# KiCad board processed.kicad_pcb (continued)
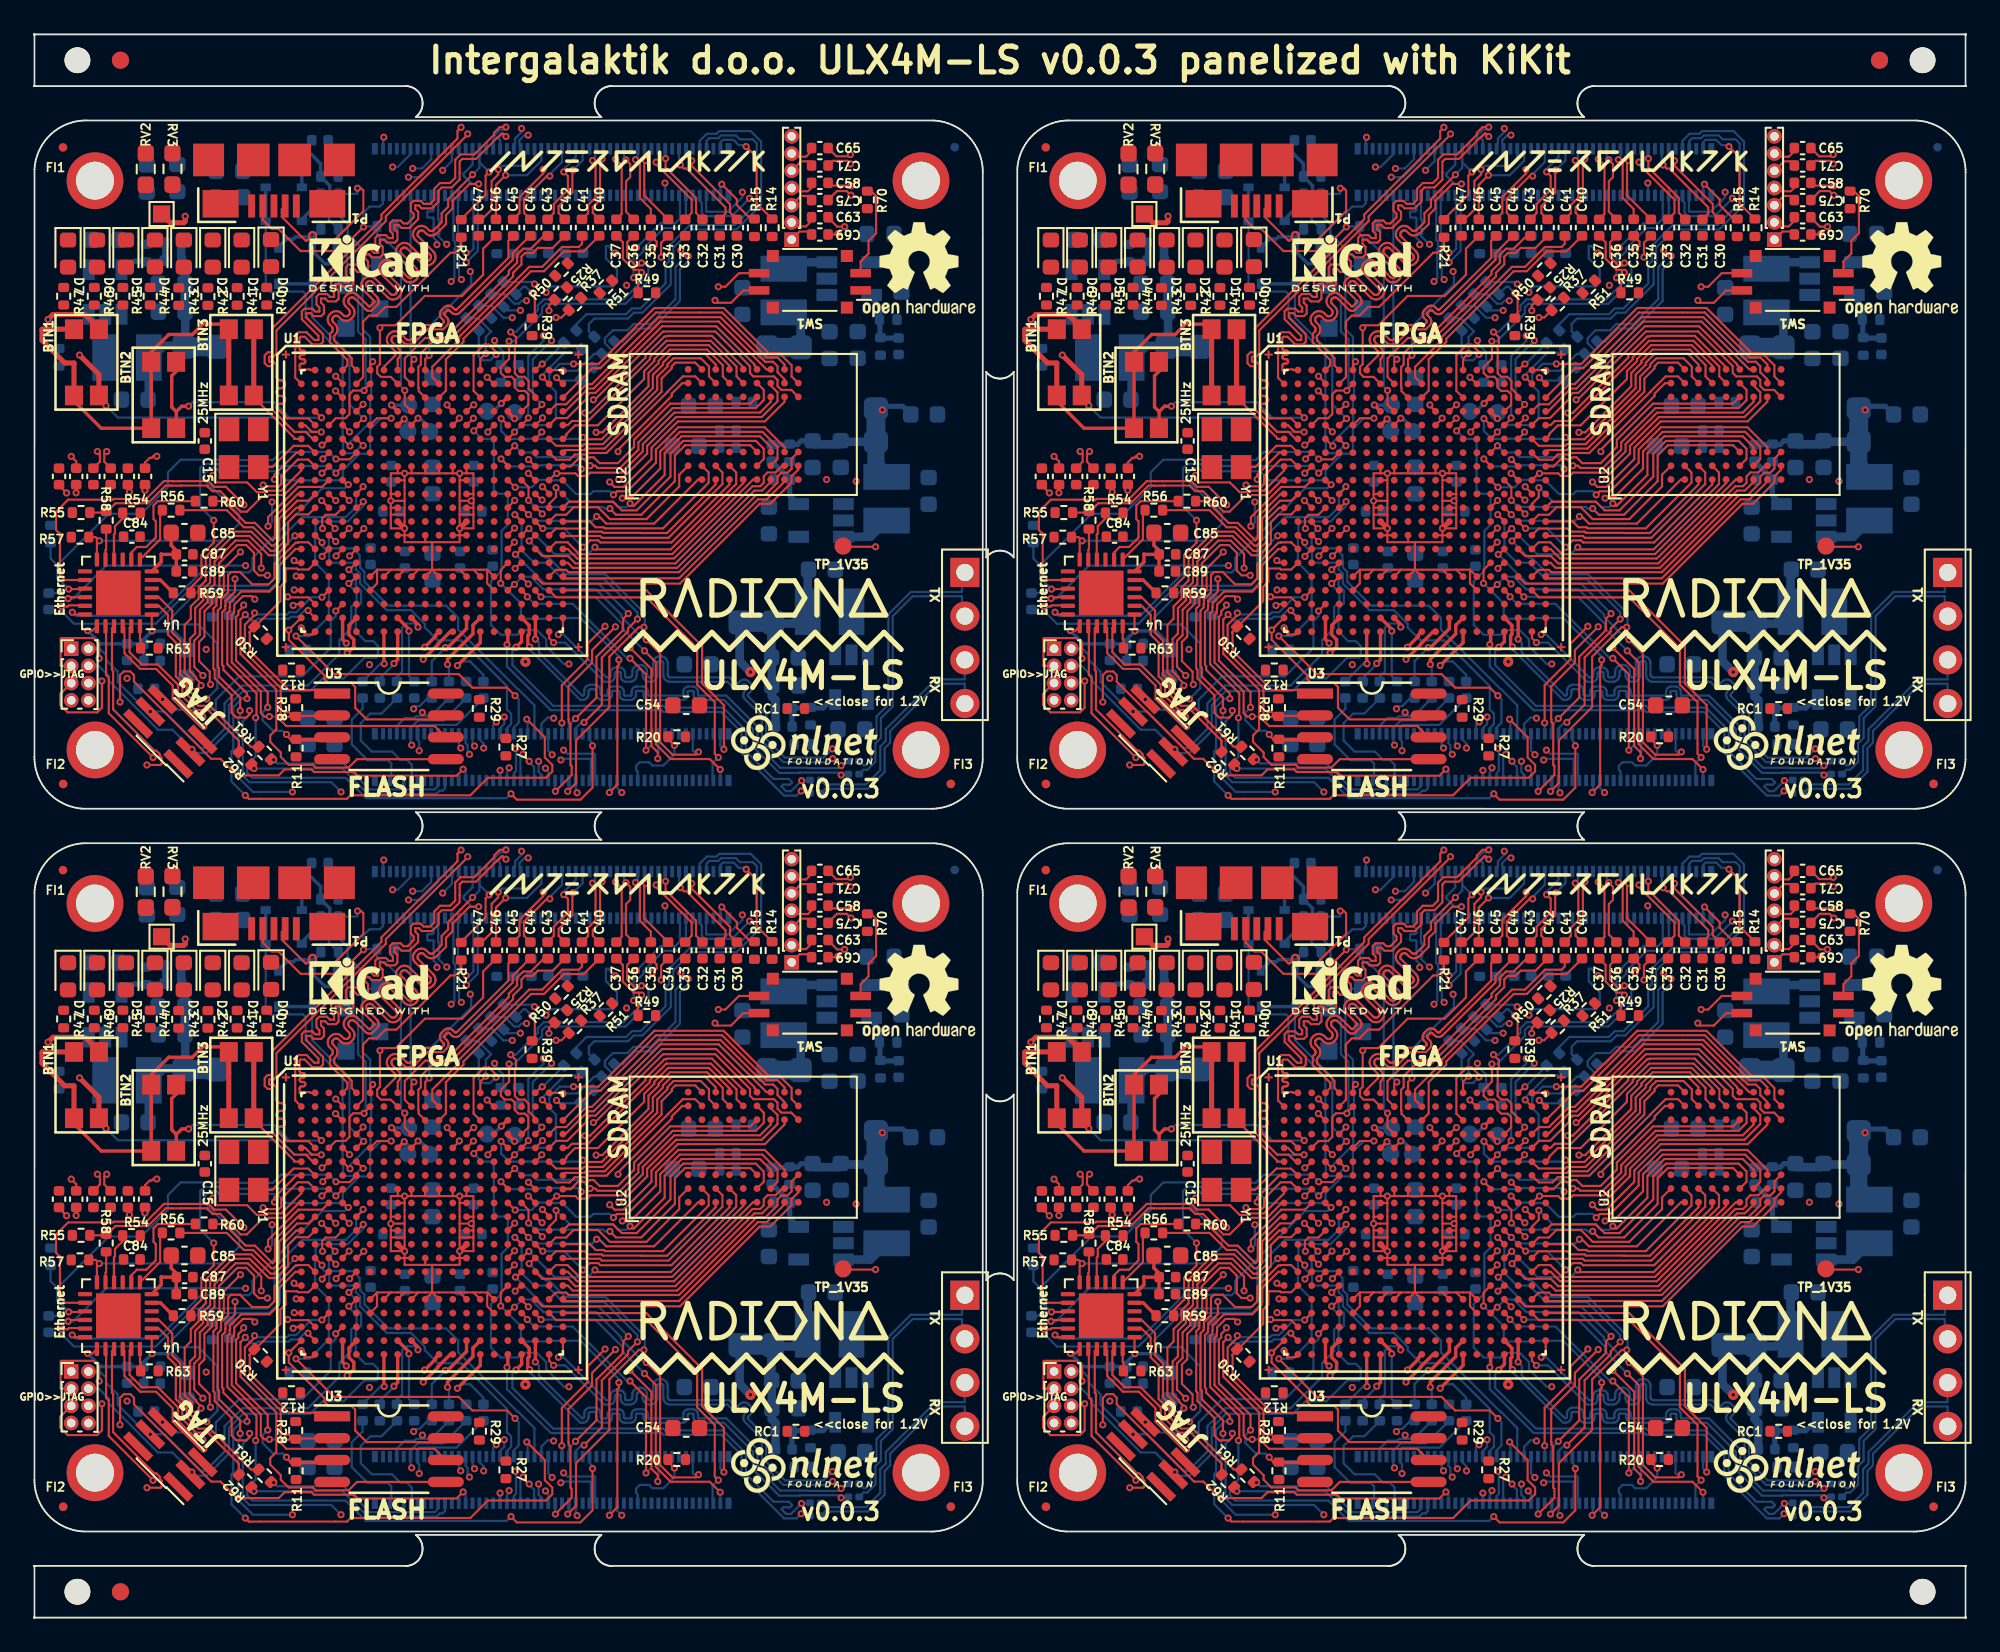
[diagram p0: board, top side]
## Routing (per net, layer and track width the routed paths; a pad name or vN(x,y) marks a point on that pad's centre or on a via; arc(x,y) is an arc through that point) (continued)
Board_2-USB_FPGA_D+: length 23.1
  Top w0.127: v1(19.66,30.98) 19.51,30.84 U1#3.A6 ; v1(18.34,26.08) 18.32,26.08 U1#3.F4
  Bottom w0.127: v1(18.34,26.08) 18.34,26.29 19.53,27.48 19.53,27.79 19.51,27.81 19.51,28.69 19.57,28.75 19.57,30.9 v1(19.66,30.98) 19.51,31.13 19.51,32.42 19.07,32.86 19.07,36.17 19.44,36.54 D8#3.1 18.2,38.41 18.2,38.97 17.67,39.5 R5#3.2 17.67,39.94 17.16,40.45 17.16,40.84
  Bottom w0.2: 17.16,40.84 17.16,41.21 R2#3.2 16.63,42.49 15.93,43.18 15.18,43.18 R4#4.2
Board_2-USB_FPGA_D-: length 16.7
  Top w0.127: U1#3.B6 19.16,29.34 v1(19.16,29.3) 18.52,29.3 18.31,29.09 18.31,27.93 18.07,27.69 17.51,27.69 U1#3.E3
  Bottom w0.127: R1#3.2 16.64,40.62 17.11,40.14 17.11,39.23 R7#3.2 ; v1(19.16,29.3) 19.25,29.4 19.25,32.29 18.81,32.73 18.81,34.72 D9#3.1 18.16,35.48 18.16,37.18 R6#3.2
  Bottom w0.2: R6#3.2 17.65,38.66 R7#3.2
Board_2-USB_FPGA_PULL_D+: length 20.3
  Top w0.127: U1#3.F5 19.1,26.1 v1(19.1,26.1)
  Bottom w0.127: D11#3.1 13.44,35.35 13.77,35.01 14.53,35.01 14.57,35.05 15.61,35.05 15.76,34.9 15.76,33.55 17.91,31.4 17.91,26.31 17.94,26.28 17.94,25.68 17.95,25.66 18.56,25.66 19,26.1 v1(19.1,26.1)
  Bottom w0.2: D11#3.1 D10#3.2
Board_2-USB_FPGA_PULL_D-: length 11.6
  Top w0.127: v1(19.13,27.67) 19.09,27.67 U1#3.E5
  Bottom w0.127: v1(19.13,27.67) 18.31,28.49 18.31,31.38 16.14,33.55 16.14,35.47 D12#3.2
  Bottom w0.2: D13#3.1 16.11,35.5 D12#3.2
Board_2-USB_N: length 10.4
  Top w0.127: P1#3.2 14.37,39.83 14.37,39.4 15.76,38.01 15.81,38.02 15.85,38.03 15.89,38.06 15.92,38.09 15.94,38.13 15.96,38.17 15.96,38.21 15.96,38.31 15.97,38.36 15.98,38.4 16.01,38.44 16.04,38.47 16.08,38.49 16.12,38.51 16.16,38.51 16.21,38.51 16.25,38.49 16.29,38.47 16.32,38.44 16.34,38.4 16.36,38.36 16.36,38.31 16.36,38.21 16.37,38.17 16.38,38.13 16.41,38.09 16.44,38.06 16.48,38.03 16.52,38.02 16.56,38.01 17.4,38.01 19.11,39.73 19.11,40.93 18.98,41.06 v1(18.77,41.06)
  Bottom w0.127: v1(18.77,41.06) 18.77,40.78 18.73,40.73 R1#3.1
Board_3-+1V1: length 125
  Top w0.127: 82.62,18.89 81.82,18.89 ; 82.62,18.89 83.42,18.89 ; 82.62,18.89 U1#4.T14 ; 82.62,22.49 82.62,22.77 v1(82.49,22.89) ; 82.62,22.49 U1#4.L13 ; 82.62,22.49 82.62,22.09 ; 80.62,24.49 79.82,24.49 ; 80.62,24.49 U1#4.H11 ; 80.62,24.49 81.42,24.49 ; v1(81.82,21.29) 81.82,20.89 ; v1(81.82,21.29) 81.82,22.09 ; v1(81.82,21.29) 82.62,21.29 82.62,22.09 ; 81.82,20.89 81.82,20.49 80.22,20.49 ; 81.82,20.89 U1#4.N13 ; 81.82,20.89 U1#4.N12 ; U1#4.N9 78.62,20.89 ; 78.62,20.89 v1(78.62,21.29) ; 78.62,20.89 U1#4.N8 ; 78.62,20.89 78.62,20.49 79.82,20.49 ; 81.42,24.49 v1(81.82,24.49) ; 81.42,24.49 U1#4.H12 ; v1(81.82,24.49) 82.22,24.49 ; v1(81.82,24.49) 81.82,24.09 ; U1#4.J8 78.62,24.09 ; 78.62,24.09 v1(78.62,24.49) ; 78.62,24.09 78.62,22.89 ; v1(78.62,21.29) 78.62,22.09 ; v1(78.62,21.29) 77.82,21.29 77.82,22.09 ; v1(78.62,24.49) 79.02,24.49 ; v1(78.62,24.49) 78.22,24.49 ; 79.42,18.89 78.62,18.89 ; 79.42,18.89 U1#4.T9 ; 79.42,18.89 80.22,18.89 ; 77.02,18.89 77.82,18.89 ; 77.02,18.89 77.02,18.09 U1#4.U6 ; 77.02,18.89 U1#4.T6 ; 77.82,18.89 U1#4.T7 ; 77.82,18.89 78.62,18.89 ; U1#4.T15 83.42,18.89 ; 83.42,18.89 83.42,18.09 U1#4.U15 ; 78.62,22.89 78.62,22.09 ; 78.62,22.89 v1(77.82,22.89) ; U1#4.T13 81.82,18.89 ; 81.82,18.89 80.22,18.89 ; 78.62,18.89 U1#4.T8 ; 82.62,23.29 82.62,23.02 v1(82.49,22.89) ; 82.62,23.29 U1#4.K13 ; 82.62,23.29 82.62,24.49 82.22,24.49 ; 80.22,20.49 79.82,20.49 ; 80.22,20.49 80.22,18.89 ; U1#4.J13 81.82,24.09 ; 81.82,24.09 81.82,22.89 ; 79.82,20.49 U1#4.N10 ; v1(77.82,22.89) 77.82,23.29 ; v1(77.82,22.89) 77.82,22.49 ; 77.82,23.29 77.82,24.49 78.22,24.49 ; 77.82,23.29 U1#4.K8 ; 77.82,22.49 U1#4.L8 ; 77.82,22.49 77.82,22.09 ; 81.82,22.09 81.82,22.89 ; 81.82,22.09 82.62,22.09 ; U1#4.T10 80.22,18.89 ; 80.22,18.89 U1#4.T11 ; 77.82,22.09 78.62,22.09 ; 82.22,24.49 U1#4.H13 ; 81.82,22.89 v1(82.49,22.89) ; 79.82,24.49 79.02,24.49 ; 79.82,24.49 U1#4.H10 ; 78.22,24.49 U1#4.H8 ; 79.02,24.49 U1#4.H9
  Top w0.3: v1(65.87,39.43) 65.87,39.14 65.79,39.05 65.01,39.05 1.1V_1#3.1 ; U1#4.M13 v1(81.82,21.29) ; U1#4.M8 v1(78.62,21.29)
  In2.Cu w0.3: v1(67.09,14.26) 68.31,13.04 76.25,13.04 v1(76.58,13.37)
  In3.Cu w0.3: v2(85.64,13.55) 84.73,12.64 77.32,12.64 v1(76.58,13.37) 78.38,15.18 78.38,15.55 79.61,16.78 79.65,16.78 79.91,17.03 79.91,20.01 v1(78.62,21.29) ; v1(65.87,39.43) 66.21,39.09 66.21,29.88 66.56,29.53 66.56,22.55 67.04,22.06 67.04,14.31 v1(67.09,14.26)
  In3.Cu w0.5: v2(85.64,13.55) 86.55,12.64 98.41,12.64 v2(98.72,12.94)
  Bottom w0.5: RP1#4.2 98.09,13.57 v2(98.72,12.94)
Board_3-+1V35: length 19.8
  Top w0.127: TP_1V35#4.1 104.14,20.22 v1(105.99,20.22)
  In3.Cu w0.3: v1(106.38,28.18) 106.26,28.29 106.26,29.69 105.64,29.69 105.58,29.76 105.58,26.67 104.79,25.87 105.29,25.37 105.29,24.46 v1(104.86,24.03) 104.76,24.14 v1(103.14,24.14) 103.77,23.51 103.77,22.45 v1(105.99,20.22)
  Bottom w0.3: RP4#4.2 106.1,28.18 v1(106.38,28.18) 106.59,28.39 107.56,28.39 C98#4.1
Board_3-+3.3VA: length 13.5
  Top w0.127: U4#4.19 60.49,15.35 v1(60.2,15.35) ; v1(63.95,15.33) 63.93,15.36 U4#4.1
  In3.Cu w0.2: v1(63.95,15.33) 60.22,15.33 v1(60.2,15.35)
  Bottom w0.2: FB1#4.2 65.95,14.55 65.17,15.33 v1(63.95,15.33) 63.47,14.85 C90#4.1 ; C88#4.1 63.47,13.6 C90#4.1 ; C90#4.1 C86#4.1 60.97,14.58 v1(60.2,15.35)
Board_3-/ethernet/ACTLED: length 12.2
  Top w0.127: U4#4.3 64.34,17.29 65.12,16.51 65.12,15.23 65.58,14.77 65.58,12.8 65.96,12.43 65.96,11.65 66.63,10.98 67.31,10.98 69.69,8.61 R61#4.2
Board_3-/ethernet/LINKLED: length 11.2
  Top w0.127: R62#4.2 68.99,8.95 67.21,10.73 66.52,10.73 65.7,11.55 65.7,12.32 65.33,12.7 65.33,14.67 64.87,15.13 64.87,16.27 64.34,16.79 U4#4.2
Board_3-/ethernet/RBIAS: length 1.3
  Top w0.127: U4#4.24 63.24,14.88 63.28,14.84 R63#4.1
Board_3-/ethernet/XTAL: length 1.6
  Top w0.2: R59#4.1 64.43,18.29 U4#4.5
Board_3-/flash/FLASH_MISO: length 16.6
  Top w0.127: v1(70.77,10.36) 70.47,10.36 70.27,10.56 70.27,11.82 68.58,13.51 68.58,16.25 68.71,16.39 68.71,16.58 68.72,16.6 68.72,16.86 69.22,17.36 69.74,17.36 v1(69.92,17.18) ; U3#4.2 74.39,10.4 72.29,10.4 ; v1(71.83,17.32) 71.86,17.29 73.03,17.29 U1#4.V2
  Top w0.2: v1(71.82,10.49) 71.91,10.4 72.29,10.4
  In2.Cu w0.127: v1(69.92,17.18) 70.06,17.32 v1(71.83,17.32)
  Bottom w0.127: v1(71.82,10.49) 71.69,10.36 v1(70.77,10.36)
Board_3-/flash/FLASH_MOSI: length 24.3
  Top w0.127: v1(73.01,16.53) 73.01,16.51 U1#4.W2 ; U3#4.5 75.85,7.88 75.36,7.39 73.46,7.39 73.29,7.56 71.88,7.56 71.43,8.01 71.43,8.27 70.82,8.88 70.82,9.27 71.17,9.62 71.17,11.92 69.08,14 69.08,16.01 v1(69.36,16.29)
  Bottom w0.127: v1(69.36,16.29) 69.7,15.94 70.01,15.94 70.11,16.04 71.9,16.04 72.02,16.16 72.44,16.16 72.81,16.53 v1(73.01,16.53)
Board_3-/flash/FLASH_nCS: length 13.4
  Top w0.127: U3#4.1 74.2,11.9 71.9,11.9 69.62,14.18 69.62,15.22 69.59,15.26 71.4,17.06 71.4,17.9 71.71,18.21 71.71,18.96 72.37,18.96 72.43,18.9 73.03,18.9 U1#4.R2
Board_3-/flash/FLASH_nHOLD: length 13.6
  Top w0.127: U1#4.W1 72.6,16.09 v1(71.89,15.39) 71.89,14.82 73.97,12.75 73.97,12.53 74.18,12.31 75.52,12.31 75.75,12.08 75.75,10.86 76.42,10.2 80.79,10.2 U3#4.7
Board_3-/flash/FLASH_nWP: length 17.4
  Top w0.127: v1(69.27,16.84) 69.27,16.78 68.96,16.48 68.96,16.28 68.83,16.15 68.83,13.61 70.67,11.78 v1(70.67,10.89) ; 72.83,15.13 73.27,15.13 73.42,15.27 ; 72.03,9.01 71.75,9.28 v1(71.75,9.32)
  Top w0.19: 72.83,15.13 72.83,15.31 v1(72.62,15.51) ; U1#4.Y2 73.42,15.27
  Top w0.2: U3#4.3 74.27,9.01 72.03,9.01
  In2.Cu w0.127: v1(72.62,15.51) 71.84,16.29 70.58,16.29 70.09,16.78 69.33,16.78 v1(69.27,16.84)
  Bottom w0.127: v1(71.75,9.32) 71.54,9.53 70.98,9.53 70.37,10.14 70.37,10.59 v1(70.67,10.89)
Board_3-/flash/FLASH_SCK: length 22.3
  Top w0.127: v1(69.9,16.38) 69.9,16.26 69.34,15.69 69.34,14.11 71.42,12.02 71.42,10.14 71.75,9.81 80.36,9.81 U3#4.6 ; U1#4.U3 v1(73.82,17.29)
  Bottom w0.127: v1(69.9,16.38) 69.99,16.29 71.79,16.29 71.91,16.42 72.32,16.42 73.2,17.29 v1(73.82,17.29)
Board_3-/gpio/CAM0_D0_LP: length 11.8
  Top w0.127: U1#4.B5 76.21,30.09 76.21,33.32 76.56,33.66 77.01,33.66 77.51,34.16 78.14,34.16 81.29,37.31 81.54,37.31 81.91,37.68 R21#4.2
Board_3-/power/FB1: length 3.8
  Bottom w0.3: U5#4.5 103.43,11.34 102.94,10.86 101.16,10.86 101.13,10.83 101.13,9.79 C2#4.2
Board_3-/power/FB2: length 3.8
  Bottom w0.3: U6#4.5 62.39,36.33 62.87,36.81 64.65,36.81 64.68,36.84 64.68,37.88 C10#4.2
Board_3-/power/FB3: length 3.8
  Bottom w0.3: U7#3.5 105.76,34.64 106.25,34.16 106.25,32.38 106.28,32.35 107.32,32.35 C6#4.2
Board_3-/power/FB4: length 3.1
  Bottom w0.3: C77#4.2 101,24.16 101,23.23 U8#3.5
Board_3-/power/L3: length 2.7
  Bottom w0.5: L3#4.1 101.03,36.76 U7#3.3
Board_3-/power/L4: length 2.9
  Bottom w0.5: U8#3.3 105.69,20.8 L4#4.1
Board_3-/serdes/1N: length 15.8
  Bottom w0.127: J4#4.1 111.01,18.56 111.01,17.6 108.04,17.6 106.73,16.3 106.73,11.06 106.04,10.37 106.04,9.23 105.72,8.91 105.72,7.84 105.41,7.52 105.29,7.52 C91#4.1
Board_3-/serdes/1P: length 15.8
  Bottom w0.127: J4#4.2 111.01,16.36 111.01,17.35 108.14,17.35 106.99,16.19 106.99,10.95 106.3,10.26 106.3,9.12 105.98,8.8 105.98,7.73 105.51,7.27 105.29,7.27 C92#4.1
Board_3-/serdes/2N: length 13.3
  Bottom w0.127: J4#4.3 111.17,13.64 111.17,12.52 109.48,12.52 106.58,9.63 106.58,8.95 106.26,8.63 106.26,7.25 105.43,6.42 103.06,6.42 C93#4.1
Board_3-/serdes/2P: length 13.4
  Bottom w0.127: J4#4.4 111.17,11.12 111.17,12.27 109.58,12.27 106.84,9.52 106.84,8.84 106.52,8.52 106.52,7.14 105.54,6.16 103.06,6.16 C94#4.1
Board_3-/serdes/CLK_0_N: length 30.1
  Top w0.127: C66#4.1 58.54,23.79 v1(58.98,23.35)
  Top w0.2: v1(79.7,13.69) 80.56,14.54 80.56,14.57 81.28,15.29 U1#4.Y12
  In2.Cu w0.127: v1(58.98,23.35) 59.27,23.06 59.27,21.01 67.87,12.41 78.42,12.41 v1(79.7,13.69)
Board_3-/serdes/CLK_0_P: length 30.1
  Top w0.127: v1(59.53,23.37) 59.54,23.37 C59#3.2
  Top w0.2: U1#4.Y11 80.42,15.09 80.42,15.02 v1(79.78,14.39)
  In2.Cu w0.127: v1(59.53,23.37) 59.53,21.1 67.97,12.66 78.04,12.66 78.94,13.56 78.94,13.77 78.46,14.25 78.46,14.46 78.67,14.46 79.15,13.98 79.36,13.98 79.76,14.39 v1(79.78,14.39)
Board_3-/serdes/CLK_1_N: length 69.4
  Top w0.127: C69#4.1 103.75,38.37 v1(103.8,38.43) ; U1#4.W20 87.82,15.39 v1(87.56,15.13)
  In2.Cu w0.127: v1(103.48,8.48) 104.57,9.57 104.57,9.64 106.18,11.25 106.18,19.24 109.04,22.11 109.04,24.09 110,25.05 110,33.29 109.49,33.8 109.46,33.83 109.43,33.84 109.4,33.85 109.37,33.85 109.34,33.84 109.31,33.83 109.28,33.8 109.17,33.7 109.11,33.65 109.03,33.61 108.95,33.59 108.86,33.59 108.78,33.61 108.71,33.65 108.64,33.7 108.57,33.77 108.52,33.83 108.48,33.91 108.46,33.99 108.46,34.08 108.48,34.16 108.52,34.24 108.57,34.3 109.16,34.89 109.18,34.91 109.19,34.94 109.2,34.98 109.2,35.01 109.19,35.04 109.18,35.07 109.16,35.1 109.12,35.13 109.09,35.15 109.06,35.17 109.03,35.17 109,35.17 108.97,35.17 108.94,35.15 108.91,35.13 108.33,34.55 108.26,34.49 108.18,34.46 108.1,34.44 108.02,34.44 107.93,34.46 107.86,34.49 107.79,34.55 107.72,34.62 107.67,34.68 107.63,34.76 107.61,34.84 107.61,34.93 107.63,35.01 107.67,35.08 107.72,35.15 108.31,35.74 108.33,35.76 108.34,35.79 108.35,35.82 108.35,35.86 108.34,35.89 108.33,35.92 108.31,35.95 108.27,35.98 108.25,36 108.22,36.02 108.18,36.02 108.15,36.02 108.12,36.02 108.09,36 108.06,35.98 107.48,35.4 107.41,35.34 107.33,35.31 107.25,35.29 107.17,35.29 107.08,35.31 107.01,35.34 106.94,35.4 106.87,35.46 106.82,35.53 106.78,35.61 106.76,35.69 106.76,35.77 106.78,35.86 106.82,35.93 106.87,36 106.98,36.11 107,36.13 107.01,36.16 107.02,36.19 107.02,36.23 107.01,36.26 107,36.29 106.98,36.31 106.62,36.67 105.74,36.67 105.41,37.01 105.37,37.04 105.33,37.06 105.29,37.07 105.24,37.07 105.2,37.06 105.16,37.04 105.12,37.01 104.93,36.82 104.9,36.79 104.86,36.77 104.81,36.76 104.77,36.76 104.73,36.77 104.68,36.79 104.65,36.82 104.62,36.85 104.6,36.89 104.59,36.94 104.59,36.98 104.6,37.03 104.62,37.07 104.65,37.1 104.84,37.29 104.87,37.33 104.89,37.37 104.9,37.41 104.9,37.46 104.89,37.5 104.87,37.54 104.84,37.57 104.81,37.6 104.77,37.62 104.72,37.63 104.68,37.63 104.63,37.62 104.59,37.6 104.56,37.57 104.37,37.38 104.33,37.36 104.29,37.34 104.25,37.33 104.2,37.33 104.16,37.34 104.12,37.36 104.08,37.38 104.06,37.42 104.04,37.46 104.03,37.5 104.03,37.55 104.04,37.59 104.06,37.63 104.08,37.67 104.28,37.86 104.3,37.89 104.32,37.93 104.33,37.98 104.33,38.02 104.32,38.06 104.3,38.1 104.28,38.14 103.99,38.43 v1(103.8,38.43)
  Bottom w0.127: v1(103.48,8.48) 102.97,7.97 100.72,7.97 99.64,9.06 99.64,10.49 98.6,11.52 98.59,11.54 98.57,11.57 98.57,11.6 98.57,11.62 98.57,11.65 98.59,11.67 98.6,11.7 98.71,11.8 98.76,11.86 98.79,11.94 98.81,12.01 98.81,12.09 98.79,12.17 98.76,12.24 98.71,12.3 98.61,12.41 98.54,12.45 98.47,12.49 98.4,12.51 98.32,12.51 98.24,12.49 98.17,12.45 98.1,12.41 98,12.3 97.98,12.28 97.95,12.27 97.93,12.26 97.9,12.26 97.87,12.27 97.85,12.28 97.83,12.3 97.49,12.63 94.08,12.63 94.04,12.64 94.01,12.65 93.98,12.67 93.95,12.7 93.93,12.73 93.91,12.77 93.91,12.8 93.91,13.46 93.9,13.55 93.87,13.63 93.82,13.71 93.76,13.77 93.68,13.82 93.6,13.85 93.51,13.86 93.46,13.86 93.37,13.85 93.28,13.82 93.21,13.77 93.14,13.71 93.1,13.63 93.07,13.55 93.06,13.46 93.06,12.8 93.05,12.77 93.04,12.73 93.02,12.7 92.99,12.67 92.96,12.65 92.92,12.64 92.88,12.63 92.84,12.64 92.81,12.65 92.78,12.67 92.75,12.7 92.73,12.73 92.71,12.77 92.71,12.8 92.71,12.96 92.7,13.05 92.67,13.13 92.62,13.21 92.56,13.27 92.48,13.32 92.4,13.35 92.31,13.36 92.26,13.36 92.17,13.35 92.08,13.32 92.01,13.27 91.94,13.21 91.9,13.13 91.87,13.05 91.86,12.96 91.86,12.8 91.85,12.77 91.84,12.73 91.82,12.7 91.79,12.67 91.76,12.65 91.72,12.64 91.68,12.63 91.53,12.63 91.51,12.63 91.49,12.64 91.47,12.65 91.46,12.67 91.44,12.69 91.44,12.71 91.44,12.73 91.44,12.88 91.43,12.95 91.4,13.02 91.36,13.08 91.31,13.14 91.25,13.18 91.18,13.2 91.1,13.21 90.91,13.21 90.84,13.2 90.77,13.18 90.71,13.14 90.65,13.08 90.61,13.02 90.59,12.95 90.58,12.88 90.58,12.73 90.58,12.71 90.57,12.69 90.56,12.67 90.54,12.65 90.53,12.64 90.5,12.63 90.48,12.63 90.35,12.63 87.86,15.13 v1(87.56,15.13)
Board_3-/serdes/CLK_1_P: length 69.4
  Top w0.127: U1#4.Y19 87.02,14.92 v1(87.28,14.66) ; C63#4.2 103.23,39.35 103.76,38.83 v1(104.19,38.83)
  In2.Cu w0.127: v1(103.5,7.91) 104.59,7.91 104.82,8.15 104.82,9.54 106.45,11.16 106.45,19.14 109.3,21.99 109.3,23.98 110.26,24.94 110.26,33.4 109.65,34 109.59,34.05 109.51,34.09 109.43,34.11 109.34,34.11 109.26,34.09 109.18,34.05 109.12,34 109.01,33.89 108.99,33.87 108.96,33.86 108.92,33.85 108.89,33.85 108.86,33.86 108.83,33.87 108.8,33.89 108.77,33.93 108.75,33.96 108.73,33.99 108.72,34.02 108.72,34.05 108.73,34.08 108.75,34.11 108.77,34.14 109.35,34.72 109.41,34.79 109.44,34.87 109.46,34.95 109.46,35.03 109.44,35.12 109.41,35.19 109.35,35.26 109.28,35.33 109.22,35.38 109.14,35.42 109.06,35.44 108.97,35.44 108.89,35.42 108.81,35.38 108.75,35.33 108.16,34.74 108.14,34.72 108.11,34.71 108.07,34.7 108.04,34.7 108.01,34.71 107.98,34.72 107.95,34.74 107.92,34.78 107.9,34.8 107.88,34.83 107.88,34.87 107.88,34.9 107.88,34.93 107.9,34.96 107.92,34.99 108.5,35.57 108.56,35.64 108.59,35.72 108.61,35.8 108.61,35.88 108.59,35.97 108.56,36.04 108.5,36.11 108.44,36.18 108.37,36.23 108.29,36.27 108.21,36.29 108.13,36.29 108.04,36.27 107.97,36.23 107.9,36.18 107.31,35.59 107.29,35.57 107.26,35.56 107.23,35.55 107.19,35.55 107.16,35.56 107.13,35.57 107.11,35.59 107.07,35.63 107.05,35.65 107.04,35.68 107.03,35.72 107.03,35.75 107.04,35.78 107.05,35.81 107.07,35.84 107.18,35.94 107.23,36.01 107.27,36.09 107.29,36.17 107.29,36.25 107.27,36.34 107.23,36.41 107.18,36.48 106.78,36.87 106.78,36.89 106.65,37.02 106.55,37.02 106.46,36.93 105.84,36.93 104.19,38.58 v1(104.19,38.83)
  Bottom w0.127: v1(87.28,14.66) 87.95,14.66 90.23,12.38 90.5,12.38 90.58,12.39 90.65,12.41 90.71,12.45 90.76,12.5 90.8,12.57 90.83,12.64 90.84,12.71 90.84,12.86 90.84,12.88 90.84,12.9 90.86,12.92 90.87,12.93 90.89,12.95 90.91,12.95 90.93,12.95 91.08,12.95 91.1,12.95 91.13,12.95 91.14,12.93 91.16,12.92 91.17,12.9 91.18,12.88 91.18,12.86 91.18,12.71 91.19,12.64 91.21,12.57 91.25,12.5 91.31,12.45 91.37,12.41 91.44,12.39 91.51,12.38 91.71,12.38 91.8,12.39 91.88,12.42 91.96,12.47 92.02,12.53 92.07,12.61 92.1,12.69 92.11,12.78 92.11,12.93 92.11,12.97 92.13,13.01 92.15,13.04 92.18,13.07 92.21,13.09 92.24,13.1 92.28,13.1 92.32,13.1 92.36,13.09 92.39,13.07 92.42,13.04 92.44,13.01 92.45,12.97 92.46,12.93 92.46,12.78 92.47,12.69 92.5,12.61 92.54,12.53 92.61,12.47 92.68,12.42 92.77,12.39 92.86,12.38 92.91,12.38 93,12.39 93.08,12.42 93.16,12.47 93.22,12.53 93.27,12.61 93.3,12.69 93.31,12.78 93.31,13.43 93.31,13.47 93.33,13.51 93.35,13.54 93.38,13.57 93.41,13.59 93.44,13.6 93.48,13.6 93.52,13.6 93.56,13.59 93.59,13.57 93.62,13.54 93.64,13.51 93.65,13.47 93.66,13.43 93.66,12.78 93.67,12.69 93.7,12.61 93.74,12.53 93.81,12.47 93.88,12.42 93.97,12.39 94.06,12.38 97.39,12.38 97.66,12.1 97.72,12.06 97.79,12.02 97.87,12 97.95,12 98.03,12.02 98.1,12.06 98.16,12.1 98.27,12.21 98.29,12.23 98.31,12.24 98.34,12.25 98.37,12.25 98.4,12.24 98.42,12.23 98.44,12.21 98.51,12.14 98.53,12.12 98.54,12.09 98.55,12.07 98.55,12.04 98.54,12.01 98.53,11.99 98.51,11.97 98.41,11.86 98.36,11.8 98.32,11.73 98.31,11.65 98.31,11.57 98.32,11.49 98.36,11.42 98.41,11.36 99.38,10.38 99.38,8.95 100.62,7.71 103.12,7.71 103.33,7.91 v1(103.5,7.91)
Board_3-/serdes/S_1_N: length 3.3
  Top w0.2: v1(78,13.44) 78.22,13.66 U1#4.Y8
  Bottom w0.127: C68#4.1 77.18,12.58 78,13.4 v1(78,13.44)
Board_3-/serdes/S_1_P: length 3.6
  Top w0.2: U1#4.Y7 77.42,13.44 v1(77.44,13.43)
  Bottom w0.127: v1(77.44,13.43) 77.21,13.43 C62#4.2
Board_3-/serdes/S_2_N: length 32.6
  Top w0.127: v1(62.63,23.41) 62.63,23.74 C72#4.1
  Top w0.2: v1(75.28,14.06) 75.31,14.06 75.67,14.41 75.67,14.83 75.39,15.12 75.39,15.66 U1#4.W5
  In2.Cu w0.127: v1(75.28,14.06) 75.2,13.97 71.73,13.97 71.5,14.2 71.32,14.2 71.32,14.2 71.14,14.2 71.14,14.38 71.14,14.38 71.14,14.56 70.96,14.56 70.71,14.31 70.53,14.31 70.53,14.49 70.78,14.74 70.78,14.92 70.09,15.61 68.51,15.61 66.61,17.51 66.45,17.51 66.28,17.35 65.91,17.35 65.75,17.52 65.75,17.89 66.65,18.8 66.65,18.97 66.47,18.97 65.57,18.07 65.19,18.07 65.03,18.23 65.03,18.61 66.11,19.69 66.11,19.87 65.93,19.87 64.85,18.79 64.47,18.79 64.31,18.95 64.31,19.33 65.85,20.87 65.85,21.05 65.67,21.05 64.57,19.95 64.18,19.95 62.98,21.15 62.98,23.06 v1(62.63,23.41)
Board_3-/serdes/S_2_P: length 30
  Top w0.127: v1(63.53,23.5) 63.54,23.51 C55#4.2
  Top w0.2: U1#4.W4 75.02,14.84 v1(75.23,14.62)
  In2.Cu w0.127: v1(75.23,14.62) 74.86,14.25 71.82,14.25 70.2,15.87 68.62,15.87 66.72,17.77 66.34,17.77 66.18,17.6 66.02,17.6 66,17.62 66,17.78 66.91,18.69 66.91,19.08 66.76,19.23 66.37,19.23 65.46,18.32 65.3,18.32 65.28,18.34 65.28,18.5 66.36,19.59 66.36,19.98 66.22,20.12 65.83,20.12 64.74,19.04 64.58,19.04 64.56,19.06 64.56,19.22 66.11,20.76 66.11,21.15 65.96,21.3 65.57,21.3 64.46,20.2 64.28,20.2 63.25,21.23 63.25,23.22 v1(63.53,23.5)
Board_3-/serdes/S_3_N: length 5
  Top w0.2: U1#4.W9 79.4,15.72 v1(79.4,15.56)
  Bottom w0.127: C73#4.1 78.18,12.67 78.47,12.97 78.47,15.51 78.73,15.77 79.19,15.77 v1(79.4,15.56)
Board_3-/serdes/S_3_P: length 4.1
  Top w0.2: U1#4.W8 78.87,15.44 v1(78.87,15.33)
  Bottom w0.127: v1(78.87,15.33) 78.87,12.7 C56#4.2
Board_3-/serdes/S_4_P: length 4.8
  Top w0.2: v1(81.69,13.32) 83.02,14.65 U1#4.Y14
  Bottom w0.127: v1(81.69,13.32) 81.93,13.56 82.42,13.56 83.2,12.78 C64#4.2
Board_3-/serdes/S_5_N: length 72
  Top w0.127: C71#4.1 103.5,42.65 104.35,42.65 v1(104.53,42.47)
  Top w0.2: v1(85.09,14.39) 85.42,14.72 U1#4.Y17
  In2.Cu w0.127: v1(101.69,6.63) 102.26,6.06 105.02,6.06 106.08,7.13 106.08,9.48 108.7,12.1 108.7,19.16 111.14,21.6 111.14,35.76 106.32,40.58 106.32,41.4 105.11,42.62 104.68,42.62 v1(104.53,42.47)
  Bottom w0.127: v1(85.09,14.39) 84.89,14.18 84.89,13.35 87.26,10.98 93.66,10.98 93.76,10.88 97.13,10.88 98.46,9.55 98.46,8.34 100.06,6.73 100.95,6.73 101.12,6.56 101.12,6.5 101.02,6.4 100.63,6.4 100.52,6.29 100.79,6.02 101.08,6.02 v1(101.69,6.63) 102.14,6.63 C93#4.2
Board_3-/serdes/S_5_P: length 71.7
  Top w0.127: C65#4.2 103.71,42.91 104.43,42.91 v1(104.53,43.02)
  Top w0.2: U1#4.Y16 84.62,14.59 v1(84.57,14.54)
  In2.Cu w0.127: v1(104.53,43.02) 104.68,42.87 105.21,42.87 106.58,41.51 106.58,40.69 111.4,35.87 111.4,21.49 108.96,19.05 108.96,11.99 106.34,9.37 106.34,7.02 105.12,5.81 101.9,5.81 v1(101.67,6.03)
  Bottom w0.127: v1(84.57,14.54) 84.57,13.27 87.12,10.73 93.55,10.73 93.66,10.62 97.02,10.62 98.2,9.44 98.2,8.23 100.67,5.76 101.4,5.76 v1(101.67,6.03) 101.85,6.03 101.9,5.98 102.08,5.98 C94#4.2
Board_3-/serdes/S_6_N: length 4.5
  Top w0.2: v1(81.11,13.39) 81.11,13.69 82.59,15.17 82.59,15.67 U1#4.W14
  Bottom w0.127: C74#4.1 81.2,13.3 v1(81.11,13.39)
Board_3-/serdes/S_6_P: length 4.6
  Top w0.2: U1#4.W13 82.22,15.46 81.12,14.37 v1(80.99,14.37)
  Bottom w0.127: C57#4.2 80.2,13.57 v1(80.99,14.37)
Board_3-/serdes/S_7_N: length 70.3
  Top w0.127: C75#4.1 103.23,40.38 103.74,40.89 104.32,40.89 v1(104.56,40.65)
  Top w0.2: v1(86.22,14.86) 86.22,14.86 U1#4.W18
  In2.Cu w0.127: v1(103.99,7.51) 104.15,7.34 104.86,7.34 105.34,7.83 105.34,9.58 107.6,11.83 107.6,19.38 109.87,21.66 109.87,23.82 110.59,24.53 110.59,35.24 108.18,37.66 108.15,37.68 108.11,37.7 108.08,37.71 108.04,37.71 108.01,37.7 107.97,37.68 107.95,37.66 107.55,37.26 107.48,37.2 107.39,37.16 107.3,37.14 107.21,37.14 107.12,37.16 107.04,37.2 106.96,37.26 106.93,37.3 106.87,37.37 106.83,37.45 106.81,37.54 106.81,37.64 106.83,37.73 106.87,37.81 106.93,37.88 107.33,38.28 107.35,38.31 107.36,38.34 107.37,38.38 107.37,38.41 107.36,38.45 107.35,38.48 107.33,38.51 106.82,39.02 106.77,39.06 106.71,39.09 106.65,39.1 106.58,39.1 106.52,39.09 106.47,39.06 106.37,38.98 106.31,38.95 106.25,38.94 106.18,38.94 106.12,38.95 106.07,38.98 106.02,39.02 105.99,39.05 105.95,39.09 105.92,39.15 105.91,39.21 105.91,39.28 105.92,39.34 105.95,39.39 106.03,39.49 106.06,39.55 106.07,39.61 106.07,39.68 106.06,39.74 106.03,39.79 105.99,39.84 105.05,40.78 104.69,40.78 v1(104.56,40.65)